# KiCad board solar-module-1u-si.kicad_pcb (continued)
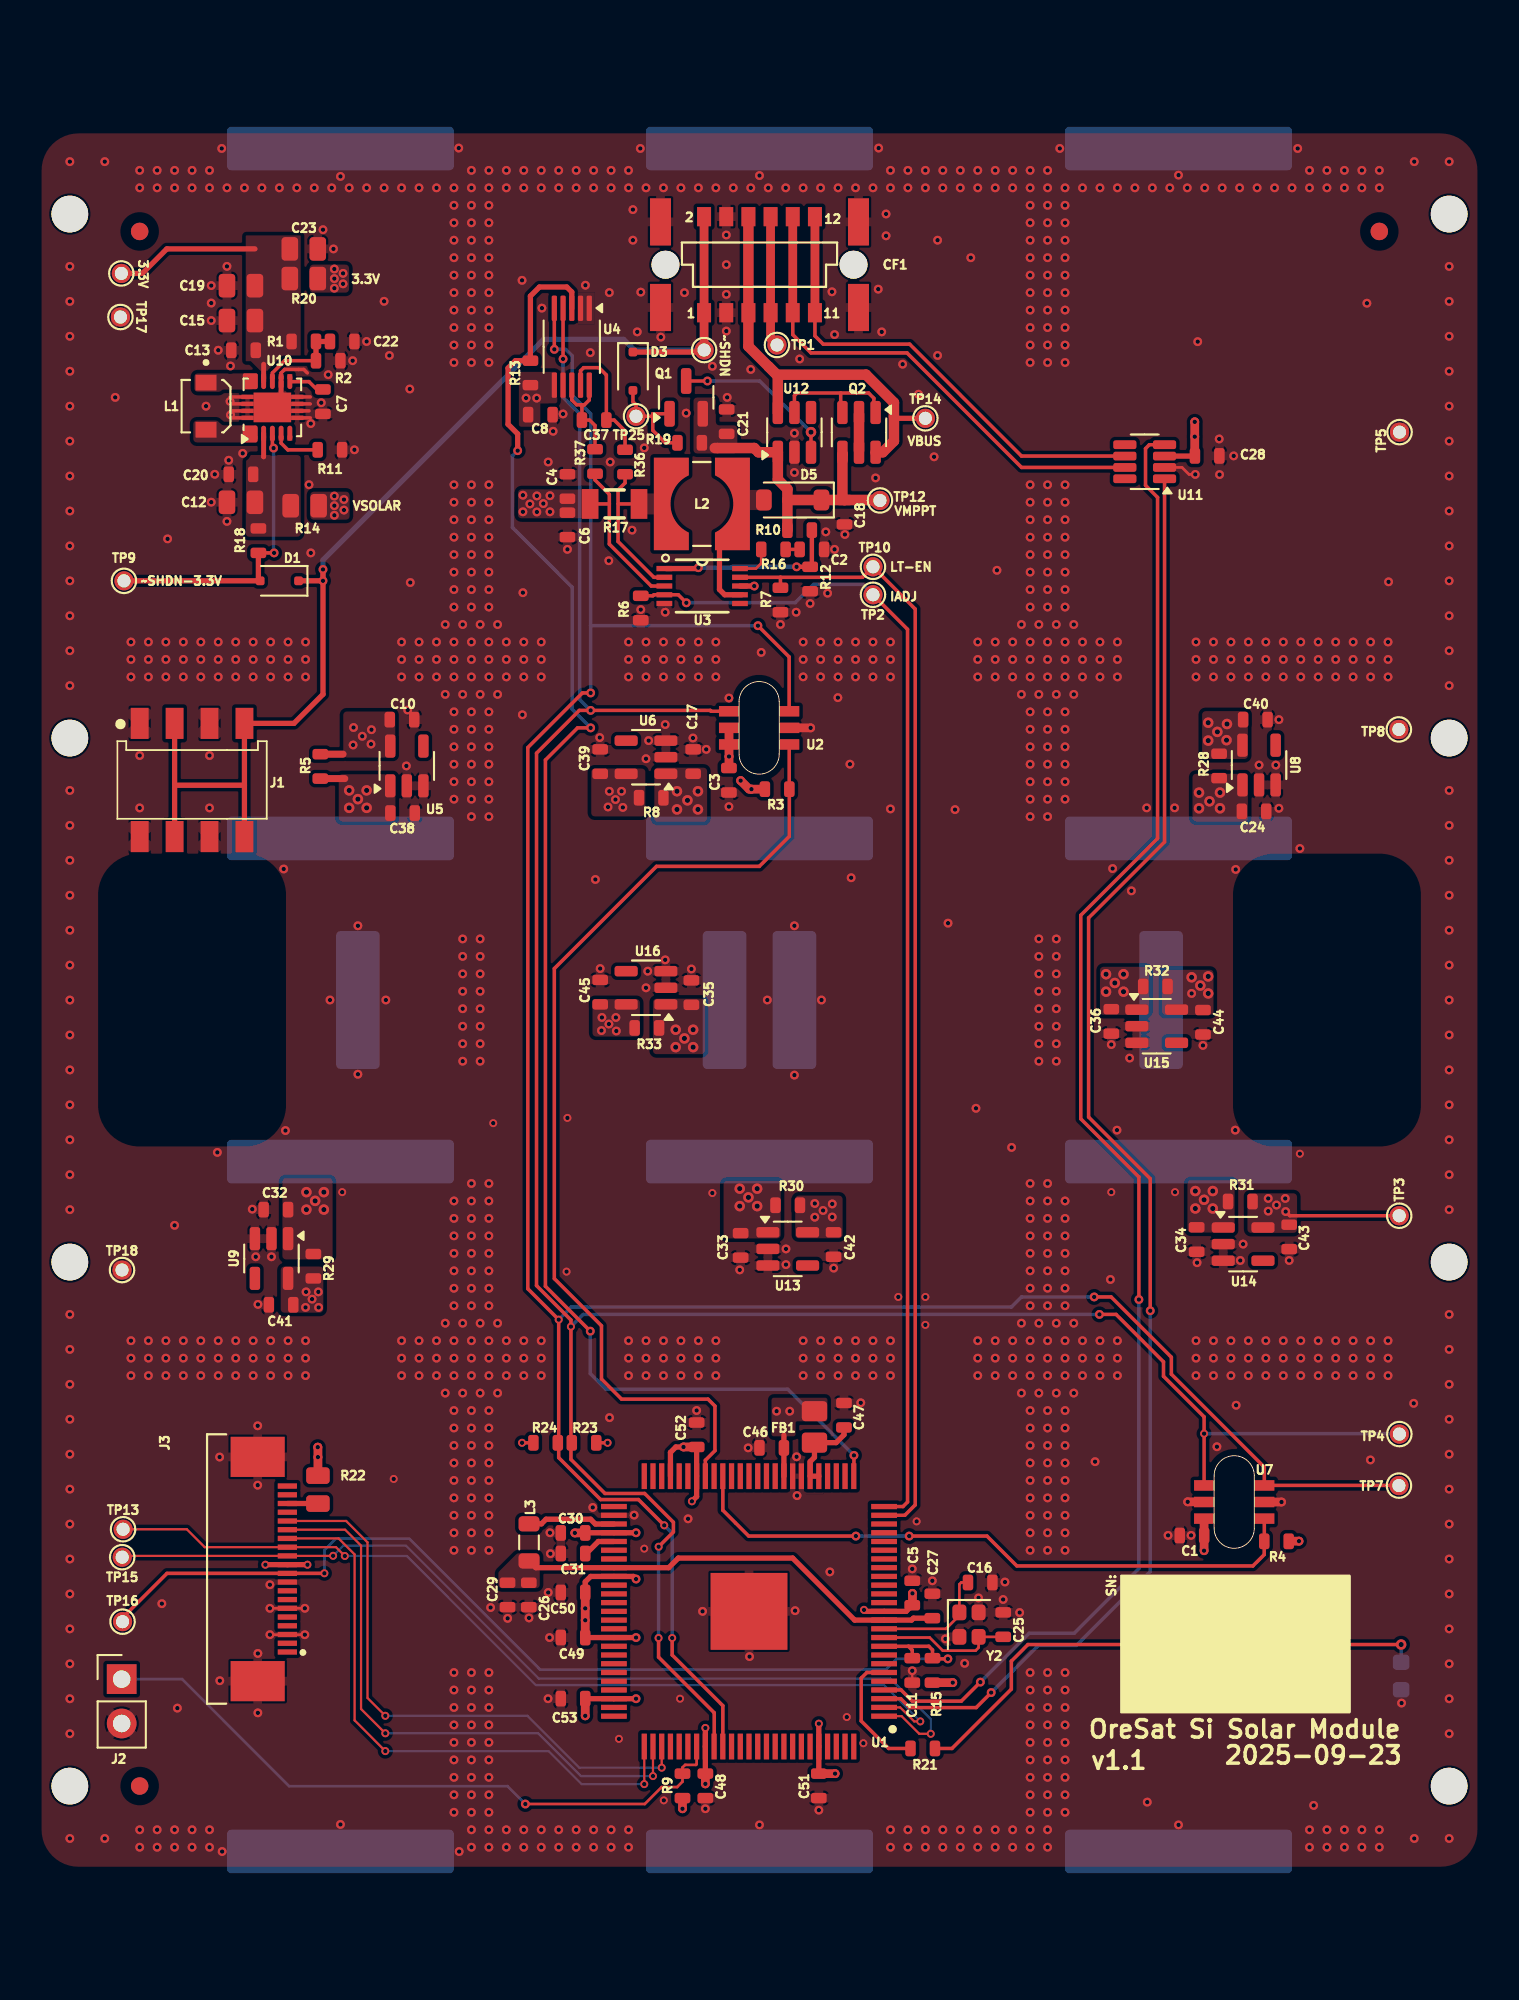
[diagram p0: board, top side]
## Library data of the parts (continued)
TP1-TP18 TP25 = -: Description: 0.75 mm TH test point; good for scope probes and jumpers
U1 = -: Datasheet: https://www.nxp.com/docs/en/data-sheet/MCXNx4xDS.pdf; Description: ARM Microcontrollers - MCU MCXN10, 100HLQFP (also MCXN947VNLT); MFR: NXP; DIS: Mouser; DPN: 771-MCXN947VKLT
U2 U7 = -: Datasheet: https://www.ti.com/lit/ds/symlink/tmp101.pdf; Description: Digital Temperature Sensor with I2C/SMBus Interface, ±2°C, one-shot conversion, alert, SOT-23-6; DIS: DIgiKey; DPN: 296-27725-2-ND; MFR: Texas Instruments; MPN: TMP101NA/3K; ki_fp_filters: SOT?23*
U3 = -: Datasheet: https://www.analog.com/media/en/technical-documentation/data-sheets/1618fas.pdf; Description: Boost Switching Regulator IC Positive Adjustable 1.263V 1 Output 1.5A (Switch) 10-TFSOP, 10-MSOP (0.118", 3.00mm Width); DIS: DIgiKey; DPN: LT1618EMS#TRPBFTR-ND; MFR: Analog Devices Inc.; MPN: IC REG BOOST ADJ 1.5A 10MSOP
U4 = -: Datasheet: http://www.ti.com/lit/ds/symlink/ina226.pdf; Description: Current Monitor Regulator High/Low-Side 10mA 10-VSSOP; DIS: DIgiKey; DPN: 296-29100-2-ND; MFR: Texas Instruments; MPN: INA226AIDGST; ki_fp_filters: VSSOP*3x3mm*P0.5mm*
U5 U6 U8 U9 U13-U16 = -: Datasheet: https://www.analog.com/media/en/technical-documentation/data-sheets/4411fa.pdf; Description: 2.6A Ideal Diode, SOT23-5; DIS: DIgiKey; DPN: 505-LTC4411ES5#TRMPBFTR-ND; MFR: Analog Devices; MPN: LTC4411ES5#TRMPBF
U10 = -: Datasheet: http://www.ti.com/lit/ds/symlink/tps63060.pdf; Description: Buck-Boost Switching Regulator IC Positive Adjustable 2.5V 1 Output 2A (Switch) 10-WFDFN Exposed Pad; DIS: DIgiKey; DPN: 296-30204-2-ND; MFR: Texas Instruments; MPN: IC REG BUCK BOOST ADJ 2A 10WSON; ki_fp_filters: Texas*S*PWSON*N10*
U11 = -: Datasheet: http://www.ti.com/lit/ds/symlink/tcan337.pdf; Description: High-Speed CAN Transceiver, 1Mbps, 3.3V supply, silent mode, shutdown mode, SOT-23-8/SOIC-8; MFR: Texas Instruments; MPN: TCAN330DCNR; DIS: DigiKey; DPN: 296-46215-1-ND; ki_fp_filters: *TSOT?23* *SOIC*3.9x4.9mm*P1.27mm*
U12 = -: Datasheet: https://www.analog.com/media/en/technical-documentation/data-sheets/4412fb.pdf; Description: OR Controller Source Selector Switch P-Channel 2:1 TSOT-23-6; DIS: DIgiKey; DPN: 505-LTC4412ES6#TRPBFTR-ND; MFR: Linear Technologies; MPN: LTC4412ES6#TRPBF; ki_fp_filters: TSOT?23*
Y2 = -: Datasheet: https://www.we-online.com/components/products/datasheet/830108212309.pdf; Description: 24 MHz ±10ppm Crystal 8pF 100 Ohms 4-SMD, No Lead; MFR: Wurth; MPN: 830108212309; DIS: DIgiKey; DPN: 1923-830108212309CT-ND; ki_fp_filters: Crystal*

## Footprints (pads in the part's own frame, mm; a bottom-side part is the same pattern mirrored in y, then rotated)
0603-C-NOSILK
  rrect 0.6x0.9 smd: 1(-0.7,0) 2(0.7,0)
0805-B-NOSILK
  rrect 1.15x1.45 smd: 1(-0.9,0) 2(0.9,0)
0805-C-NOSILK
  rrect 0.95x1.35 smd: 1(-0.8,0) 2(0.8,0)
1206-C
  rect 0.95x1.7 smd: 1(-1.4,0) 2(1.4,0)
744042100
  custom 2x5.3 smd: 1(-1.91,0) 2(1.91,0)
Crystal_SMD_2016-4Pin_2.0x1.6mm
  rrect 0.9x0.8 smd: 1(-0.7,-0.55) 2(0.7,-0.55) 3(0.7,0.55) 4(-0.7,0.55)
D_SOD-123
  rrect 0.9x1.2 smd: 1(-1.65,0) 2(1.65,0)
D_SOD-323F
  rrect 0.5x0.5 smd: 1(-1.1,0) 2(1.1,0)
DBV6-SLOT
  rect 1.15x0.6 smd: 1(1.725,0.95) 2(1.725,0) 3(1.725,-0.95) 4(-1.725,-0.95) 5(-1.725,0) 6(-1.725,0.95)
Fiducial_1mm_Mask2mm
  round 1 smd: (0,0)
IND_1226AS-H-1R0N=P2
  rect 0.9x1.2 smd: 1(-1.35,0) 2(1.35,0)
J-Harwin-M55-60X1242R
  round 1.6 hole 1.6 unplated: (-5.385,0) (5.385,0)
  rect 0.8x1.1 smd: 1(-3.175,-2.75) 2(-3.175,2.75) 3(-1.905,-2.75) 4(-1.905,2.75) 5(-0.635,-2.75) 6(-0.635,2.75) 7(0.635,-2.75) 8(0.635,2.75) 9(1.905,-2.75) 10(1.905,2.75) 11(3.175,-2.75) 12(3.175,2.75)
  rect 1.2x2.7 smd: P$1(-5.67,-2.45) P$2(-5.67,2.45) P$3(5.67,-2.45) P$4(5.67,2.45)
J-TE-2-1734592-0
  rect 0.3x1.1 smd: 1(-4.75,-1.7) 2(-4.25,-1.7) 3(-3.75,-1.7) 4(-3.25,-1.7) 5(-2.75,-1.7) 6(-2.25,-1.7) 7(-1.75,-1.7) 8(-1.25,-1.7) 9(-0.75,-1.7) 10(-0.25,-1.7) 11(0.25,-1.7) 12(0.75,-1.7) 13(1.25,-1.7) 14(1.75,-1.7) 15(2.25,-1.7) 16(2.75,-1.7) 17(3.25,-1.7) 18(3.75,-1.7) 19(4.25,-1.7) 20(4.75,-1.7)
  rect 2.3x3.1 smd: PAD1(6.42,0) PAD2(-6.42,0)
KXOB101K08TF
  rrect 2.5x13 smd: NEG2(19.75,0) POS1(-19.75,0)
KXOB2502X8TF
  rrect 2.5x7.9 smd: NEG2(10.5,0) POS1(-10.5,0)
L_0805_2012Metric
  rrect 0.875x1.2 smd: 1(-1.062,0) 2(1.062,0)
LED_0603_1608Metric
  rrect 0.875x0.95 smd: 1(-0.787,0) 2(0.787,0)
MCXN947KVLT-QFP50P1600X1600X160-101N
  rect 1.475x0.3 smd: 1(-7.738,6) 2(-7.738,5.5) 3(-7.738,5) 4(-7.738,4.5) 5(-7.738,4) 6(-7.738,3.5) 7(-7.738,3) 8(-7.738,2.5) 9(-7.738,2) 10(-7.738,1.5) 11(-7.738,1) 12(-7.738,0.5) 13(-7.738,0) 14(-7.738,-0.5) 15(-7.738,-1) 16(-7.738,-1.5) 17(-7.738,-2) 18(-7.738,-2.5) 19(-7.738,-3) 20(-7.738,-3.5) 21(-7.738,-4) 22(-7.738,-4.5) 23(-7.738,-5) 24(-7.738,-5.5) 25(-7.738,-6) 51(7.738,-6) 52(7.738,-5.5) 53(7.738,-5) 54(7.738,-4.5) 55(7.738,-4) 56(7.738,-3.5) 57(7.738,-3) 58(7.738,-2.5) 59(7.738,-2) 60(7.738,-1.5) 61(7.738,-1) 62(7.738,-0.5) 63(7.738,0) 64(7.738,0.5) 65(7.738,1) 66(7.738,1.5) 67(7.738,2) 68(7.738,2.5) 69(7.738,3) 70(7.738,3.5) 71(7.738,4) 72(7.738,4.5) 73(7.738,5) 74(7.738,5.5) 75(7.738,6)
  rect 0.3x1.475 smd: 26(-6,-7.738) 27(-5.5,-7.738) 28(-5,-7.738) 29(-4.5,-7.738) 30(-4,-7.738) 31(-3.5,-7.738) 32(-3,-7.738) 33(-2.5,-7.738) 34(-2,-7.738) 35(-1.5,-7.738) 36(-1,-7.738) 37(-0.5,-7.738) 38(0,-7.738) 39(0.5,-7.738) 40(1,-7.738) 41(1.5,-7.738) 42(2,-7.738) 43(2.5,-7.738) 44(3,-7.738) 45(3.5,-7.738) 46(4,-7.738) 47(4.5,-7.738) 48(5,-7.738) 49(5.5,-7.738) 50(6,-7.738) 76(6,7.738) 77(5.5,7.738) 78(5,7.738) 79(4.5,7.738) 80(4,7.738) 81(3.5,7.738) 82(3,7.738) 83(2.5,7.738) 84(2,7.738) 85(1.5,7.738) 86(1,7.738) 87(0.5,7.738) 88(0,7.738) 89(-0.5,7.738) 90(-1,7.738) 91(-1.5,7.738) 92(-2,7.738) 93(-2.5,7.738) 94(-3,7.738) 95(-3.5,7.738) 96(-4,7.738) 97(-4.5,7.738) 98(-5,7.738) 99(-5.5,7.738) 100(-6,7.738)
  rect 4.4x4.4 smd: 101(0,0)
MSOP-10_MS
  rect 0.9x0.3 smd: 1(-2.165,1) 2(-2.165,0.5) 3(-2.165,0) 4(-2.165,-0.5) 5(-2.165,-1) 6(2.165,-1) 7(2.165,-0.5) 8(2.165,0) 9(2.165,0.5) 10(2.165,1)
ORESAT-SOLAR-BOARD-V4
  round 2.1 hole 2.1 unplated: (2,95) (2,65) (2,35) (2,5) (81,95) (81,65) (81,35) (81,5)
PinHeader_1x02_P2.54mm_Vertical
  rect 1.7x1.7 hole 1: 1(0,0)
  round 1.7 hole 1: 2(0,-2.54)
SAMTEC-MMS-104-02-X-SH
  rect 1.02x1.78 smd: 1A(-3,3.24) 1B(-3,-3.24) 2A(-1,3.24) 2B(-1,-3.24) 3A(1,3.24) 3B(1,-3.24) 4A(3,3.24) 4B(3,-3.24)
SOT-23
  rrect 1.475x0.6 smd: 1(-0.938,0.95) 2(-0.938,-0.95) 3(0.938,0)
SOT-23-6
  rrect 1.325x0.6 smd: 1(-1.137,0.95) 2(-1.137,0) 3(-1.137,-0.95) 4(1.137,-0.95) 5(1.137,0) 6(1.137,0.95)
SOT-23-8
  rrect 1.325x0.5 smd: 1(-1.137,0.975) 2(-1.137,0.325) 3(-1.137,-0.325) 4(-1.137,-0.975) 5(1.137,-0.975) 6(1.137,-0.325) 7(1.137,0.325) 8(1.137,0.975)
TestPoint-0.75mm-th
  round 1.1 hole 0.75: 1(0,0)
Texas_S-PWSON-N10
  rect 0.28x0.28 smd: 1(-1.76,1) 2(-1.76,0.5) 3(-1.76,0) 4(-1.76,-0.5) 5(-1.76,-1) 6(1.76,-1) 7(1.76,-0.5) 8(1.76,0) 9(1.76,0.5) 10(1.76,1)
  oval 0.85x0.28 smd: 1(-1.475,1) 2(-1.475,0.5) 3(-1.475,0) 4(-1.475,-0.5) 5(-1.475,-1) 6(1.475,-1) 7(1.475,-0.5) 8(1.475,0) 9(1.475,0.5) 10(1.475,1)
  rect 0.23x0.6 smd: 11(-0.6,1.425) 11(-0.6,-1.425) 11(-0.2,1.425) 11(-0.2,-1.425) 11(0.2,1.425) 11(0.2,-1.425) 11(0.6,1.425) 11(0.6,-1.425)
  rect 0.25x0.7 smd: 11(-0.6,1.425) 11(-0.6,-1.425) 11(-0.2,1.425) 11(-0.2,-1.425) 11(0.2,1.425) 11(0.2,-1.425) 11(0.6,1.425) 11(0.6,-1.425)
  rect 0.65x0.9 smd: 11(-0.435,0.56) 11(-0.435,-0.56) 11(0.435,0.56) 11(0.435,-0.56)
  rect 1.7x2.15 smd: 11(0,0)
TSOT-23-5
  rrect 1.325x0.6 smd: 1(-1.137,0.95) 2(-1.137,0) 3(-1.137,-0.95) 4(1.137,-0.95) 5(1.137,0.95)
TSOT-23-6
  rrect 1.325x0.6 smd: 1(-1.137,0.95) 2(-1.137,0) 3(-1.137,-0.95) 4(1.137,-0.95) 5(1.137,0) 6(1.137,0.95)
VSSOP-10_3x3mm_P0.5mm
  rrect 1.45x0.3 smd: 1(-2.2,1) 2(-2.2,0.5) 3(-2.2,0) 4(-2.2,-0.5) 5(-2.2,-1) 6(2.2,-1) 7(2.2,-0.5) 8(2.2,0) 9(2.2,0.5) 10(2.2,1)

## Nets
+3.3V: C1.1 C3.1 C5.1 C8.1 C28.1 C30.1 C46.1 C48.1 C49.1 C50.1 C51.1 C52.1 C53.1 FB1.1 J3.11 R3.2 R4.2 R9.2 R13.2 R15.2 R20.1 R22.2 R23.2 R24.2 U1.13 U1.34 U1.44 U1.47 U1.54 U1.59 U1.66 U1.73 U1.83 U1.96 U2.4 U2.5 U4.6 U7.4 U11.3
/Microcontroller/VDD_ANA: C47.1 FB1.2 U1.30 U1.31
/Microcontroller/VDD_SYS: C31.1 U1.55
GND: C1.2 C2.2 C3.2 C4.2 C5.2 C6.2 C7.2 C8.2 C10.2 C11.2 C12.2 C13.2 C15.2 C16.2 C17.2 C18.2 C19.2 C20.2 C21.2 C22.2 C23.2 C24.2 C25.2 C26.2 C27.2 C28.2 C29.2 C30.2 C31.2 C32.2 C33.2 C34.2 C35.2 C36.2 C38.2 C39.2 C40.2 C41.2 C42.2 C43.2 C44.2 C45.2 C46.2 C47.2 C48.2 C49.2 C50.2 C51.2 C52.2 C53.2 CF1.3 CF1.4 CF1.P$1 CF1.P$2 CF1.P$3 CF1.P$4 D2.NEG2 D4.1 D7.NEG2 D8.NEG2 D9.NEG2 D10.NEG2 D11.NEG2 D12.NEG2 D13.NEG2 J1.1A J1.1B J1.3A J1.3B J2.2 J3.3 J3.6 J3.9 J3.PAD1 J3.PAD2 R2.1 R6.2 R7.2 R11.1 R12.1 TP5.1 TP8.1 TP17.1 TP18.1 U1.32 U1.33 U1.52 U1.101 U2.2 U3.5 U4.1 U4.2 U4.7 U5.2 U5.3 U6.2 U6.3 U7.2 U7.5 U8.2 U8.3 U9.2 U9.3 U10.7 U10.11 U11.2 U12.2 U13.2 U13.3 U14.2 U14.3 U15.2 U15.3 U16.2 U16.3 Y2.2 Y2.4
VBUS: CF1.5 CF1.6 Q2.6 TP14.1 U12.6
VDD_CORE: C26.1 C27.1 C29.1 L3.1 U1.12 U1.58
/Microcontroller/CELL1_TEMP_ALERT: R3.1 U1.43 U2.3
/Microcontroller/CELL2_TEMP_ALERT: R4.1 U1.41 U7.3
/Microcontroller/RESET: C11.1 J3.10 R15.1 TP16.1 U1.9
/Microcontroller/SWCLK: J3.15 U1.77
/Microcontroller/SWDIO: J3.14 U1.76
/Microcontroller/SWO: J3.16 U1.78
/MPPT and Power/TPS-VOUT-3.3V: C13.1 C15.1 C19.1 C23.1 R1.2 R20.2 TP6.1 U10.9
/MPPT and Power/VMPPT: C18.1 C21.1 D5.1 Q1.2 Q2.4 R10.2 R19.2 TP12.1 U12.1
/MPPT and Power/~{SHDN-3.3V}: D1.2 R18.1 TP9.1 U10.3
/MPPT and Power/~{SHDN-OUPUT}: D3.2 Q1.1 R19.1 TP25.1
/MPPT and Power/~{SHUTDOWN}: CF1.1 CF1.2 D1.1 D3.1 J1.2A J1.2B J1.4A J1.4B TP11.1
CANH: CF1.9 CF1.10 U11.7
CANL: CF1.11 CF1.12 U11.6
INA226-nALERT: R13.1 U1.26 U4.3
ISP-UART_RXD: J3.12 TP15.1 U1.1
ISP-UART_TXD: J3.13 TP13.1 U1.2
LT1618-ENABLE: R7.1 TP10.1 U1.24 U3.9
LT1618-IADJ: R6.1 TP2.1 U1.25 U3.4
SCL: R24.1 TP7.1 U1.85 U2.1 U4.5 U7.1
SDA: R23.1 TP4.1 U1.84 U2.6 U4.4 U7.6
VSOLAR: C4.1 C6.1 C10.1 C39.1 C40.1 C41.1 C42.1 C43.1 C44.1 C45.1 R5.2 R8.2 R14.2 R17.1 R28.2 R29.2 R30.2 R31.2 R32.2 R33.2 R37.2 TP3.1 U3.3 U3.8 U5.5 U6.5 U8.5 U9.5 U13.5 U14.5 U15.5 U16.5
Net-(C2-Pad1): C2.1 R16.1
Net-(CF1-AUX-Pad7): CF1.7 CF1.8 TP1.1
Net-(D2-A1): C38.1 D2.POS1 R5.1 U5.1
Net-(D4-A): D4.2 R21.2
Net-(D5-A): D5.2 L2.2 U3.7
Net-(D7-A1): C17.1 D7.POS1 R8.1 U6.1
Net-(D8-A1): C24.1 D8.POS1 R28.1 U8.1
Net-(D9-A1): C32.1 D9.POS1 R29.1 U9.1
Net-(D10-A1): C33.1 D10.POS1 R30.1 U13.1
Net-(D11-A1): C34.1 D11.POS1 R31.1 U14.1
Net-(D12-A1): C36.1 D12.POS1 R32.1 U15.1
Net-(D13-A1): C35.1 D13.POS1 R33.1 U16.1
Net-(J2-Pin_1): J2.1 R9.1 U1.82
Net-(J3-DEBUG-1): J3.18 R22.1
Net-(Q1-D): Q1.3 U12.3
Net-(Q2A-G): Q2.1 Q2.3 U12.5
Net-(Q2A-S): Q2.2 Q2.5
Net-(U1A-DCDC_LX): L3.2 U1.53
Net-(U1C-P1_13): R21.1 U1.6
Net-(U1C-P1_30): C25.1 U1.10 Y2.3
Net-(U1C-P1_31): C16.1 U1.11 Y2.1
Net-(U3-FB): R10.1 R12.2 U3.1
Net-(U3-ISN): L2.1 R17.2 R36.1 U3.2
Net-(U3-VC): R16.2 U3.10
Net-(U4-Vbus): C37.1 R37.1 U4.8 U4.10
Net-(U4-Vin-): C37.2 R36.2 U4.9
Net-(U10-FB): C22.1 R1.1 R2.2 U10.8
Net-(U10-L1): L1.2 U10.1
Net-(U10-L2): L1.1 U10.10
Net-(U10-PS/SYNC): R11.2 U10.4
Net-(U10-VAUX): C7.1 U10.6
Net-(U10-VIN): C12.1 C20.1 R14.1 R18.2 U10.2
Net-(U11-RXD): U1.4 U11.4
Net-(U11-TXD): U1.3 U11.1

Pads without a net: J3 1 2 4 5 7 8 17 19 20; U1 5 7 8 14 15 16 17 18 19 20 21 22 23 27 28 29 35 36 37 38 39 40 42 45 46 48 49 50 51 56 57 60 61 62 63 64 65 67 68 69 70 71 72 74 75 79 80 81 86 87 88 89 90 91 92 93 94 95 97 98 99 100; U3 6; U5 4; U6 4; U8 4; U9 4; U10 5; U11 5 8; U12 4; U13 4; U14 4; U15 4; U16 4

## Via types
v1: diameter 0.508, hole 0.254, Top to Bottom, 1269 vias
v2: diameter 0.6, hole 0.3, Top to Bottom, 51 vias
v3: diameter 0.457, hole 0.254, Top to Bottom, 45 vias

## Routing (per net, layer and track width the routed paths; a pad name or vN(x,y) marks a point on that pad's centre or on a via; arc(x,y) is an arc through that point)
+3.3V: length 63.2
  Top w0.2: R23.2 v3(32.8,24.65) ; R24.2 v3(27.9,24.65)
  Top w0.3: v1(37.15,24.41) 36.71,24.41 36.4,24.1 U1.47 ; C30.1 31.53,19.5 U1.54 v1(34.43,19.5) ; v3(37.63,21.3) 37.9,21.57 U1.44 C52.1 ; C28.1 66.43,81.14 U11.3 ; v3(47.48,15.09) 47.57,15 U1.13 49.9,15 C5.1 50.26,15.36 ; 66.96,18.48 v1(66.96,18.48) ; U1.34 C46.1 42.9,25.09 ; v1(34.43,16.85) 34.28,17 U1.59 31.83,17 31.52,16.69 C50.1 ; 66.96,19.33 66.96,19.33 ; C49.1 U1.66 v1(34.43,13.5) ; v3(13.2,17.67) 13.2,17.68 J3.11 15.6,17.68 v3(15.61,17.67) ; C53.1 U1.73 v1(34.43,10) ; v3(38.4,8.33) U1.83 C48.1 ; C51.1 U1.96 v3(44.9,8.57)
  Top w0.5: v1(50.26,16.03) 50.26,15.36 ; U2.4 v1(39.75,63.94) 39.75,63.29 C3.1 ; U2.4 U2.5 ; U2.4 39.75,64.63 ; v1(37.09,3.7) R9.2 ; v1(72.4,19.02) 71.82,19.02 R4.2 ; v1(37.15,24.41) C52.1 ; v1(52.57,10.92) R15.2 ; R22.2 v1(16.21,23.83) 16.21,24.39 v1(16.2,24.4) ; v1(38.4,5.13) C48.1 ; v1(30.92,19.49) C30.1 ; C50.1 C49.1 ; v1(66.43,83.1) 66.43,81.16 C28.1 ; 66.96,18.48 U7.4 ; v1(40.42,62.56) 40.91,62.07 v1(41.04,62.07) R3.2 ; v1(45.83,5.71) C51.1 ; v1(31.52,9.02) C53.1
  In2.Cu w0.5: v1(39.75,63.94) 39.75,62.96 39.75,62.95 40.14,62.56 v1(40.42,62.56) 40.91,62.07 v1(41.04,62.07) 42.57,62.07 43.65,63.15 43.65,67.45 43.5,67.6
  vias: v1(17.15,91.85) v1(17.15,91.3) v1(17.15,90.75) v1(17.65,91.6) v1(17.65,91) v1(28.13,84.46) v1(28.74,84.46) v1(31.52,15.17) v1(31.52,14.49) v1(42.48,26.46) v1(43.23,26.46) v1(66.43,82.25)
/Microcontroller/VDD_ANA: length 4.8
  Top w0.3: U1.30 U1.31 44.4,23.57 44.65,23.82 FB1.2 45.89,24.66 46.34,25.11 C47.1
/Microcontroller/VDD_SYS: length 1.9
  Top w0.3: U1.55 32.27,19 31.58,18.31 C31.1
GND: length 20.1
  Top w0.127: C11.2 v1(50.25,11.6)
  Top w0.152: U11.2 65.7,80.49 66.1,80.09 v1(66.46,80.09) ; v1(15.46,15.18) J3.6 v1(13.46,15.18) ; v1(13.46,13.67) 14.45,13.67 J3.3 14.47,13.67 v1(15.46,13.67)
  Top w0.2: 15,83.73 15.7,83.73 ; 12.2,84.53 11.17,84.53 ; 11.22,84.13 12.2,84.13 ; 12.2,83.33 11.23,83.33 ; 15,84.13 15.77,84.13 ; 15,83.33 15.77,83.33 ; 15,84.53 15.77,84.53 ; 15.6,85.9 15.4,86.1 14.3,86.1 14.1,85.9 U10.7 ; 12.2,83.73 11.2,83.73
  Top w0.28: U10.7 14.1,83.9
  Top w0.5: U7.5 66.95,21.27 v1(66.02,21.27) ; 43.23,65.58 v1(44.43,65.58) ; v1(71.4,21.26) U7.2
  vias: v1(2,98) v1(2,92) v1(2,90) v1(2,88) v1(2,86) v1(2,84) v1(2,82) v1(2,80) v1(2,78) v1(2,76) v1(2,74) v1(2,72) v1(2,70) v1(2,68) v1(2,62) v1(2,60) v1(2,58) v1(2,56) v1(2,54) v1(2,52) v1(2,50) v1(2,48) v1(2,46) v1(2,44) v1(2,42) v1(2,40) v1(2,38) v1(2,32) v1(2,30) v1(2,28) v1(2,26) v1(2,24) v1(2,22) v1(2,20) v1(2,18) v1(2,16) v1(2,14) v1(2,12) v1(2,10) v1(2,8) v1(2,2) v1(4,98) v1(4,2) v1(4.6,84.5) v1(5.5,70.5) v1(5.5,69.5) v1(5.5,68.5) v1(5.5,30.5) v1(5.5,29.5) v1(5.5,28.5) v1(6,97.5) v1(6,96.5) v1(6,64) v1(6,61) v1(6,2.5) v1(6,1.5) v1(6.5,70.5) v1(6.5,69.5) v1(6.5,68.5) v1(6.5,30.5) v1(6.5,29.5) v1(6.5,28.5) v1(7,97.5) v1(7,96.5) v1(7,2.5) v1(7,1.5) v1(7.27,15.44) v1(7.5,70.5) v1(7.5,69.5) v1(7.5,68.5) v1(7.5,30.5) v1(7.5,29.5) v1(7.5,28.5) v1(7.6,76.4) v1(8,97.5) v1(8,96.5) v1(8,37.1) v1(8,2.5) v1(8,1.5) v1(8.16,9.46) v1(8.5,70.5) v1(8.5,69.5) v1(8.5,68.5) v1(8.5,30.5) v1(8.5,29.5) v1(8.5,28.5) v1(9,97.5) v1(9,96.5) v1(9,2.5) v1(9,1.5) v1(9.5,70.5) v1(9.5,69.5) v1(9.5,68.5) v1(9.5,30.5) v1(9.5,29.5) v1(9.5,28.5) v1(9.8,84) v1(10,97.5) v1(10,96.5) v1(10,64) v1(10,61) v1(10,2.5) v1(10,1.5) v1(10.1,90.9) v1(10.1,89.9) v1(10.1,88.9) v1(10.1,78.5) v1(10.3,80.1) v1(10.5,87.2) v1(10.5,70.5) v1(10.5,69.5) v1(10.5,68.5) v1(10.45,41.28) v1(10.5,30.5) v1(10.5,29.5) v1(10.5,28.5) v1(10.58,23.84) v1(10.59,11.03) v1(10.7,98.75) v1(10.72,1.25) v1(11,96.5) v1(11,92) v1(11,77.4) v1(11.1,80.9) v1(11.2,86.3) v1(11.18,84.28) v1(11.2,83.5) v1(11.5,70.5) v1(11.5,69.5) v1(11.5,68.5) v1(11.5,30.5) v1(11.5,29.5) v1(11.5,28.5) v1(11.9,81.3) v1(12,96.5) v1(12.5,70.5) v1(12.5,69.5) v1(12.5,68.5) v1(12.45,38.03) v1(12.5,30.5) v1(12.5,29.5) v1(12.5,28.5) v1(12.65,35.3) v1(12.77,32.58) v1(12.76,25.63) v1(12.76,22.23) v1(12.77,12.59) v1(12.77,9.19) v1(13,96.5) v1(13.5,70.5) v1(13.5,69.5) v1(13.5,68.5) v1(13.55,35.3) v1(13.5,30.5) v1(13.5,29.5) v1(13.5,28.5) v1(13.46,16.53) v1(14,96.5) v1(14.25,57.5) v1(14.35,42.53) v1(14.5,70.5) v1(14.5,69.5) v1(14.5,68.5) v1(14.5,30.5) v1(14.5,29.5) v1(14.5,28.5) v1(15,96.5) v1(15.5,70.5) v1(15.5,69.5) v1(15.5,68.5) v1(15.5,30.5) v1(15.5,29.5) v1(15.5,28.5) v1(15.7,79.5) v1(15.8,83) v1(15.8,75.6) v1(16,96.5) v1(16.4,84.2) v1(16.5,94.1) v1(16.8,85.8) v1(16.9,50) v1(17,96.5) v1(17.1,93) v1(17.5,97.15) v1(17.5,2.8) v1(18,96.5) v1(18.2,86.6) v1(18.3,81.5) v1(18.5,54.25) v1(18.5,45.75) v1(19,96.5) v1(19,87.7) v1(20,96.5) v1(20,90) v1(20.1,50) v1(20.3,86.9) v1(21,96.5) v1(21,70.5) v1(21,69.5) v1(21,68.5) v1(21,30.5) v1(21,29.5) v1(21,28.5) v1(21.35,66.6) v1(21.27,63.4) v1(21.47,84.98) v1(21.5,73.9) v1(22,96.5) v1(22,70.5) v1(22,69.5) v1(22,68.5) v1(22,30.5) v1(22,29.5) v1(22,28.5) v1(23,96.5) v1(23,70.5) v1(23,69.5) v1(23,68.5) v1(23,30.5) v1(23,29.5) v1(23,28.5) v1(23.5,71.5) v1(23.5,67.5) v1(23.5,31.5) v1(23.5,27.5) v1(24,96.5) v1(24,95.5) v1(24,94.5) v1(24,93.5) v1(24,92.5) v1(24,91.5) v1(24,90.5) v1(24,89.5) v1(24,88.5) v1(24,87.5) v1(24,86.5) v1(24,79.5) v1(24,78.5) v1(24,77.5) v1(24,76.5) v1(24,75.5) v1(24,74.5) v1(24,73.5) v1(24,72.5) v1(24,70.5) v1(24,69.5) v1(24,68.5) v1(24,66.5) v1(24,65.5) v1(24,64.5) v1(24,63.5) v1(24,62.5) v1(24,61.5) v1(24,38.5) v1(24,37.5) v1(24,36.5) v1(24,35.5) v1(24,34.5) v1(24,33.5) v1(24,32.5) v1(24,30.5) v1(24,29.5) v1(24,28.5) v1(24,26.5) v1(24,25.5) v1(24,24.5) v1(24,23.5) v1(24,22.5) v1(24,21.5) v1(24,20.5) v1(24,19.5) v1(24,18.5) v1(24,11.5) v1(24,10.5) v1(24,9.5) v1(24,8.5) v1(24,7.5) v1(24,6.5) v1(24,5.5) v1(24,4.5) v1(24,3.5) v1(24.27,98.78) v1(24.3,1.25) v1(24.5,71.5) v1(24.5,67.5) v1(24.5,53.5) v1(24.5,52.5) v1(24.5,51.5) v1(24.5,50.5) v1(24.5,49.5) v1(24.5,48.5) v1(24.5,47.5) v1(24.5,46.5) v1(24.5,31.5) v1(24.5,27.5) v1(25,97.5) v1(25,96.5) v1(25,95.5) v1(25,94.5) v1(25,93.5) v1(25,92.5) v1(25,91.5) v1(25,90.5) v1(25,89.5) v1(25,88.5) v1(25,87.5) v1(25,86.5) v1(25,79.5) v1(25,78.5) v1(25,77.5) v1(25,76.5) v1(25,75.5) v1(25,74.5) v1(25,73.5) v1(25,72.5) v1(25,70.5) v1(25,69.5) v1(25,68.5) v1(25,66.5) v1(25,65.5) v1(25,64.5) v1(25,63.5) v1(25,62.5) v1(25,61.5) v1(25,60.5) v1(25,39.5) v1(25,38.5) v1(25,37.5) v1(25,36.5) v1(25,35.5) v1(25,34.5) v1(25,33.5) v1(25,32.5) v1(25,30.5) v1(25,29.5) v1(25,28.5) v1(25,26.5) v1(25,25.5) v1(25,24.5) v1(25,23.5) v1(25,22.5) v1(25,21.5) v1(25,20.5) v1(25,19.5) v1(25,18.5) v1(25,11.5) v1(25,10.5) v1(25,9.5) v1(25,8.5) v1(25,7.5) v1(25,6.5) v1(25,5.5) v1(25,4.5) v1(25,3.5) v1(25,2.5) v1(25,1.5) v1(25.5,71.5) v1(25.5,67.5) v1(25.5,53.5) v1(25.5,52.5) v1(25.5,51.5) v1(25.5,50.5) v1(25.5,49.5) v1(25.5,48.5) v1(25.5,47.5) v1(25.5,46.5) v1(25.5,31.5) v1(25.5,27.5) v1(26,97.5) v1(26,96.5) v1(26,95.5) v1(26,94.5) v1(26,93.5) v1(26,92.5) v1(26,91.5) v1(26,90.5) v1(26,89.5) v1(26,88.5) v1(26,87.5) v1(26,86.5) v1(26,79.5) v1(26,78.5) v1(26,77.5) v1(26,76.5) v1(26,75.5) v1(26,74.5) v1(26,73.5) v1(26,72.5) v1(26,70.5) v1(26,69.5) v1(26,68.5) v1(26,66.5) v1(26,65.5) v1(26,64.5) v1(26,63.5) v1(26,62.5) v1(26,61.5) v1(26,60.5) v1(26,39.5) v1(26,38.5) v1(26,37.5) v1(26,36.5) v1(26,35.5) v1(26,34.5) v1(26,33.5) v1(26,32.5) v1(26,30.5) v1(26,29.5) v1(26,28.5) v1(26,26.5) v1(26,25.5) v1(26,24.5) v1(26,23.5) v1(26,22.5) v1(26,21.5) v1(26,20.5) v1(26,19.5) v1(26,18.5) v1(26,11.5) v1(26,10.5) v1(26,9.5) v1(26,8.5) v1(26,7.5) v1(26,6.5) v1(26,5.5) v1(26,4.5) v1(26,3.5) v1(26,2.5) v1(26,1.5) v1(26.1,15.22) v1(26.5,71.5) v1(26.5,67.5) v1(26.5,31.5) v1(26.5,27.5) v1(27,97.5) v1(27,96.5) v1(27,70.5) v1(27,69.5) v1(27,68.5) v1(27,30.5) v1(27,29.5) v1(27,28.5) v1(27,2.5) v1(27,1.5) v1(27.07,14.6) v1(27.9,91.2) v1(27.95,73.32) v1(27.92,66.33) v1(28,97.5) v1(28,96.5) v1(28,70.5) v1(28,69.5) v1(28,68.5) v1(28,30.5) v1(28,29.5) v1(28,28.5) v1(28,2.5) v1(28,1.5) v1(28.3,14.63) v1(29,97.5) v1(29,96.5) v1(29.04,89.61) v1(29,70.5) v1(29,69.5) v1(29,68.5) v1(29,30.5) v1(29,29.5) v1(29,28.5) v1(29,2.5) v1(29,1.5) v1(29.4,80.8) v1(29.4,16.08) v1(29.39,10) v1(29.5,19.5) v1(29.52,18.3) v1(29.47,13.5) v1(29.68,82.56) v1(30,97.5) v1(30,96.5) v1(30,2.5) v1(30,1.5) v1(30.25,83.55) v1(30.5,75.8) v1(31,97.5) v1(31,96.5) v1(31,2.5) v1(31,1.5) v1(31.53,90.92) v1(31.81,87.06) v1(31.95,20.95) v1(32,97.5) v1(32,96.5) v1(32,2.5) v1(32,1.5) v1(32.1,56.9) v1(32.35,65.03) v1(32.37,51.8) v1(32.9,90.5) v1(32.95,80.8) v1(32.87,75.15) v1(32.91,26.09) v1(33,97.5) v1(33,96.5) v1(33,2.5) v1(33,1.5) v1(34,97.5) v1(34,96.5) v1(34,70.5) v1(34,69.5) v1(34,68.5) v1(34,30.5) v1(34,29.5) v1(34,28.5) v1(34,2.5) v1(34,1.5) v1(34.25,95.25) v1(34.25,93.5) v1(34.2,76.9) v1(34.32,20.51) v1(34.5,88.25) v1(34.67,98.75) v1(34.7,90.53) v1(34.7,72.35) v1(34.9,81.61) v1(35,96.5) v1(35,70.5) v1(35,69.5) v1(35,68.5) v1(35,63.82) v1(35,50.7) v1(35,30.5) v1(35,29.5) v1(35,28.5) v1(35.1,51.65) v1(35.15,64.85) v1(35.85,87.95) v1(36,96.5) v1(36,70.5) v1(36,69.5) v1(36,68.5) v1(36,30.5) v1(36,29.5) v1(36,28.5) v1(36.1,72.2) v1(36.1,65.77) v1(36.1,52.3) v1(37,96.5) v1(37,70.5) v1(37,69.5) v1(37,68.5) v1(37,30.5) v1(37,29.5) v1(37,28.5) v1(37.2,90.5) v1(37.3,83.6) v1(37.41,20.3) v1(37.6,51.78) v1(37.69,65) v1(37.9,26.5) v1(38,96.5) v1(38,70.5) v1(38,69.5) v1(38,68.5) v1(38,30.5) v1(38,29.5) v1(38,28.5) v1(38.24,15) v1(38.45,64.35) v1(38.4,3.7) v1(38.8,86.28) v1(39,96.5) v1(39,70.5) v1(39,69.5) v1(39,68.5) v1(39,30.5) v1(39,29.5) v1(39,28.5) v1(39.6,93.8) v1(39.6,92.1) v1(39.6,90.4) v1(39.6,88.3) v1(39.65,84.5) v1(39.75,67.29) v1(39.75,61.07) v1(40,96.5) v1(40.37,34.55) v1(40.85,24.36) v1(40.93,12.41) v1(41,96.5) v1(41,86.1) v1(41.5,97.2) v1(41.5,2.78) v1(41.6,69.9) v1(41.95,50) v1(42,96.5) v1(42.7,71.5) v1(43,96.5) v1(43.02,35.75) v1(43.02,34.85) v1(43.5,82.45) v1(43.5,80.2) v1(43.5,54.25) v1(43.5,45.7) v1(43.54,15.04) v1(43.6,72.2) v1(43.62,23.85) v1(43.65,21.63) v1(43.8,86.7) v1(44,96.5) v1(44,70.5) v1(44,69.5) v1(44,68.5) v1(44,30.5) v1(44,29.5) v1(44,28.5) v1(44.4,72.7) v1(44.9,3.62) v1(45,96.5) v1(45,70.5) v1(45,69.5) v1(45,68.5) v1(45,30.5) v1(45,29.5) v1(45,28.5) v1(45.05,50) v1(45.3,76.8) v1(45.4,73.29) v1(45.53,17.26) v1(45.65,90.55) v1(45.8,88.1) v1(45.8,75.8) v1(45.75,34.65) v1(46,96.5) v1(46,70.5) v1(46,69.5) v1(46,68.5) v1(45.99,67.31) v1(46,30.5) v1(46,29.5) v1(46,28.5) v1(46.39,76.65) v1(46.68,63.5) v1(46.75,57) v1(47,96.5) v1(47,70.5) v1(47,69.5) v1(47,68.5) v1(47,30.5) v1(47,29.5) v1(47,28.5) v1(47.3,26.94) v1(48,96.5) v1(48,70.5) v1(48,69.5) v1(48,68.5) v1(48,30.5) v1(48,29.5) v1(48,28.5) v1(48.15,79.89) v1(48.32,98.78) v1(48.3,90.7) v1(48.5,88.25) v1(48.75,95) v1(48.75,93.75) v1(49,97.5) v1(49,96.5) v1(49,70.5) v1(49,69.5) v1(49,68.5) v1(49,60.94) v1(49,30.5) v1(49,29.5) v1(49,28.5) v1(49,2.5) v1(49,1.5) v1(49.7,86.4) v1(50,97.5) v1(50,96.5) v1(50,2.5) v1(50,1.5) v1(50.25,17.43) v1(50.61,84.68) v1(51,97.5) v1(51,96.5) v1(51,2.5) v1(51,1.5) v1(51.4,16.75) v1(51.5,81.1) v1(51.7,93.5) v1(51.7,86.9) v1(52,97.5) v1(52,96.5) v1(52,2.5) v1(52,1.5) v1(52.15,13.43) v1(52.3,54.4) v1(52.7,60.9) v1(53,97.5) v1(53,96.5) v1(53,2.5) v1(53,1.5) v1(53.25,12.03) v1(53.6,92.5) v1(53.9,43.8) v1(54,97.5) v1(54,96.5) v1(54,70.5) v1(54,69.5) v1(54,68.5) v1(54,30.5) v1(54,29.5) v1(54,28.5) v1(54.04,15.77) v1(54,2.5) v1(54,1.5) v1(55,97.5) v1(55,96.5) v1(55,70.5) v1(55,69.5) v1(55,68.5) v1(55,30.5) v1(55,29.5) v1(55,28.5) v1(55,2.5) v1(55,1.5) v1(55.1,74.6) v1(55.45,15.68) v1(55.56,16.68) v1(55.94,41.56) v1(56,97.5) v1(56,96.5) v1(56,70.5) v1(56,69.5) v1(56,68.5) v1(56,30.5) v1(56,29.5) v1(56,28.5) v1(56,2.5) v1(56,1.5) v1(56.4,14.93) v1(56.5,71.5) v1(56.5,67.5) v1(56.5,31.5) v1(56.5,27.5) v1(57,97.5) v1(57,96.5) v1(57,95.5) v1(57,94.5) v1(57,93.5) v1(57,92.5) v1(57,91.5) v1(57,90.5) v1(57,89.5) v1(57,88.5) v1(57,87.5) v1(57,86.5) v1(57,79.5) v1(57,78.5) v1(57,77.5) v1(57,76.5) v1(57,75.5) v1(57,74.5) v1(57,73.5) v1(57,72.5) v1(57,70.5) v1(57,69.5) v1(57,68.5) v1(57,66.5) v1(57,65.5) v1(57,64.5) v1(57,63.5) v1(57,62.5) v1(57,61.5) v1(57,60.5) v1(57,39.5) v1(57,38.5) v1(57,37.5) v1(57,36.5) v1(57,35.5) v1(57,34.5) v1(57,33.5) v1(57,32.5) v1(57,30.5) v1(57,29.5) v1(57,28.5) v1(57,26.5) v1(57,25.5) v1(57,24.5) v1(57,23.5) v1(57,22.5) v1(57,21.5) v1(57,20.5) v1(57,19.5) v1(57,18.5) v1(57,11.5) v1(57,10.5) v1(57,9.5) v1(57,8.5) v1(57,7.5) v1(57,6.5) v1(57,5.5) v1(57,4.5) v1(57,3.5) v1(57,2.5) v1(57,1.5) v1(57.5,71.5) v1(57.5,67.5) v1(57.5,53.5) v1(57.5,52.5) v1(57.5,51.5) v1(57.5,50.5) v1(57.5,49.5) v1(57.5,48.5) v1(57.5,47.5) v1(57.5,46.5) v1(57.5,31.5) v1(57.5,27.5) v1(58,97.5) v1(58,96.5) v1(58,95.5) v1(58,94.5) v1(58,93.5) v1(58,92.5) v1(58,91.5) v1(58,90.5) v1(58,89.5) v1(58,88.5) v1(58,87.5) v1(58,86.5) v1(58,79.5) v1(58,78.5) v1(58,77.5) v1(58,76.5) v1(58,75.5) v1(58,74.5) v1(58,73.5) v1(58,72.5) v1(58,70.5) v1(58,69.5) v1(58,68.5) v1(58,66.5) v1(58,65.5) v1(58,64.5) v1(58,63.5) v1(58,62.5) v1(58,61.5) v1(58,60.5) v1(58,39.5) v1(58,38.5) v1(58,37.5) v1(58,36.5) v1(58,35.5) v1(58,34.5) v1(58,33.5) v1(58,32.5) v1(58,30.5) v1(58,29.5) v1(58,28.5) v1(58,26.5) v1(58,25.5) v1(58,24.5) v1(58,23.5) v1(58,22.5) v1(58,21.5) v1(58,20.5) v1(58,19.5) v1(58,18.5) v1(58,11.5) v1(58,10.5) v1(58,9.5) v1(58,8.5) v1(58,7.5) v1(58,6.5) v1(58,5.5) v1(58,4.5) v1(58,3.5) v1(58,2.5) v1(58,1.5) v1(58.5,71.5) v1(58.5,67.5) v1(58.5,53.5) v1(58.5,52.5) v1(58.5,51.5) v1(58.5,50.5) v1(58.5,49.5) v1(58.5,48.5) v1(58.5,47.5) v1(58.5,46.5) v1(58.5,31.5) v1(58.5,27.5) v1(58.7,98.75) v1(59,96.5) v1(59,95.5) v1(59,94.5) v1(59,93.5) v1(59,92.5) v1(59,91.5) v1(59,90.5) v1(59,89.5) v1(59,88.5) v1(59,87.5) v1(59,86.5) v1(59,79.5) v1(59,78.5) v1(59,77.5) v1(59,76.5) v1(59,75.5) v1(59,74.5) v1(59,73.5) v1(59,72.5) v1(59,70.5) v1(59,69.5) v1(59,68.5) v1(59,66.5) v1(59,65.5) v1(59,64.5) v1(59,63.5) v1(59,62.5) v1(59,61.5) v1(59,38.5) v1(59,37.5) v1(59,36.5) v1(59,35.5) v1(59,34.5) v1(59,33.5) v1(59,32.5) v1(59,30.5) v1(59,29.5) v1(59,28.5) v1(59,26.5) v1(59,25.5) v1(59,24.5) v1(59,23.5) v1(59,22.5) v1(59,21.5) v1(59,20.5) v1(59,19.5) v1(59,18.5) v1(59,11.5) v1(59,10.5) v1(59,9.5) v1(59,8.5) v1(59,7.5) v1(59,6.5) v1(59,5.5) v1(59,4.5) v1(59,3.5) v1(59.5,71.5) v1(59.5,67.5) v1(59.5,31.5) v1(59.5,27.5) v1(60,96.5) v1(60,70.5) v1(60,69.5) v1(60,68.5) v1(60,30.5) v1(60,29.5) v1(60,28.5) v1(60.72,23.57) v1(61,96.5) v1(61,70.5) v1(61,69.5) v1(61,68.5) v1(61,30.5) v1(61,29.5) v1(61,28.5) v1(61.6,34) v1(61.72,57.53) v1(61.65,47.45) v1(62,96.5) v1(62,70.5) v1(62,69.5) v1(62,68.5) v1(61.97,42.55) v1(62,30.5) v1(62,29.5) v1(62,28.5) v1(62.7,46.68) v1(62.8,56.25) v1(63,96.5) v1(63.67,61) v1(63.71,4.08) v1(64,96.5) v1(64.9,19.35) v1(65,96.5) v1(65.27,61) v1(65.5,97.23) v1(65.5,2.78) v1(66,96.5) v1(66.22,19.35) v1(66.5,70.5) v1(66.5,69.5) v1(66.5,68.5) v1(66.5,30.5) v1(66.5,29.5) v1(66.5,28.5) v1(66.6,87.69) v1(66.56,34.97) v1(66.9,47.4) v1(67,96.5) v1(67.5,70.5) v1(67.5,69.5) v1(67.5,68.5) v1(67.5,30.5) v1(67.5,29.5) v1(67.5,28.5) v1(67.7,24.43) v1(67.83,82.12) v1(67.85,80.08) v1(68,96.5) v1(68.5,70.5) v1(68.5,69.5) v1(68.5,68.5) v1(68.5,30.5) v1(68.5,29.5) v1(68.5,28.5) v1(68.66,81.15) v1(68.77,57.48) v1(68.75,42.55) v1(68.8,26.8) v1(69,96.5) v1(69.04,35.09) v1(69.2,36.03) v1(69.5,70.5) v1(69.5,69.5) v1(69.5,68.5) v1(69.5,30.5) v1(69.5,29.5) v1(69.5,28.5) v1(70,96.5) v1(70.11,63.45) v1(70.5,70.5) v1(70.5,69.5) v1(70.5,68.5) v1(70.5,30.5) v1(70.5,29.5) v1(70.5,28.5) v1(71,96.5) v1(71.07,63.45) v1(71.25,66.05) v1(71.25,60.98) v1(71.5,70.5) v1(71.5,69.5) v1(71.5,68.5) v1(71.5,30.5) v1(71.5,29.5) v1(71.5,28.5) v1(71.84,35.09) v1(72,96.5) v1(72.32,98.75) v1(72.45,58.68) v1(72.5,70.5) v1(72.5,69.5) v1(72.5,68.5) v1(72.5,30.5) v1(72.5,29.5) v1(72.5,28.5) v1(73,97.5) v1(73,96.5) v1(73,2.5) v1(73,1.5) v1(73.24,3.89) v1(73.5,70.5) v1(73.5,69.5) v1(73.5,68.5) v1(73.5,30.5) v1(73.5,29.5) v1(73.5,28.5) v1(74,97.5) v1(74,96.5) v1(74,2.5) v1(74,1.5) v1(74.5,70.5) v1(74.5,69.5) v1(74.5,68.5) v1(74.5,30.5) v1(74.5,29.5) v1(74.5,28.5) v1(75,97.5) v1(75,96.5) v1(75,2.5) v1(75,1.5) v1(75.5,70.5) v1(75.5,69.5) v1(75.5,68.5) v1(75.5,30.5) v1(75.5,29.5) v1(75.5,28.5) v1(76,97.5) v1(76,96.5) v1(76,2.5) v1(76,1.5) v1(76.29,89.89) v1(76.5,70.5) v1(76.5,69.5) v1(76.5,68.5) v1(76.5,30.5) v1(76.5,29.5) v1(76.5,28.5) v1(76.49,23.67) v1(77,97.5) v1(77,96.5) v1(77,2.5) v1(77,1.5) v1(77.53,73.94) v1(77.5,70.5) v1(77.5,69.5) v1(77.5,68.5) v1(77.5,30.5) v1(77.5,29.5) v1(77.5,28.5) v1(78.27,9.75) v1(79,98) v1(78.97,26.91) v1(79,2) v1(81,98) v1(81,92) v1(81,90) v1(81,88) v1(81,86) v1(81,84) v1(81,82) v1(81,80) v1(81,78) v1(81,76) v1(81,74) v1(81,72) v1(81,70) v1(81,68) v1(81,62) v1(81,60) v1(81,58) v1(81,56) v1(81,54) v1(81,52) v1(81,50) v1(81,48) v1(81,46) v1(81,44) v1(81,42) v1(81,40) v1(81,38) v1(81,32) v1(81,30) v1(81,28) v1(81,26) v1(81,24) v1(81,22) v1(81,20) v1(81,18) v1(81,16) v1(81,14) v1(81,12) v1(81,10) v1(81,8) v1(81,2) v3(17.6,39) v3(20.55,22.58) v3(26.25,42.95) v3(30.45,34.45) v3(30.5,43.25) v3(33.45,7.7) v3(34.9,18.59) v3(36.02,4.18) v3(36.95,10) v3(38.8,38.95) v3(46.5,8.95) v3(47.45,7.45) v3(49.45,33) v3(50.5,20.15) v3(51,33) v3(51,31.4) v3(61.65,39) v3(65.3,39) v3(72.45,41.2)
VBUS: length 25.1
  Top w0.3: 49.3,83.3 TP14.1
  Top w0.6: 42.03,86.25 42.55,85.74 U12.6 ; 42.03,86.25 42.48,85.8 47.6,85.8 49.2,84.2 49.2,82 48.56,81.36 Q2.6 ; 42.03,86.25 40.86,87.42 CF1.5 CF1.6
VDD_CORE: length 25
  Top w0.3: L3.1 28.68,17.5 U1.58 36.3,17.5 36.85,18.05 43.4,18.05 46.95,14.5 U1.12 50.21,14.5 50.32,14.61 C27.1
/Microcontroller/CELL1_TEMP_ALERT: length 57.9
  Top w0.2: U1.43 38.4,23.65 38.95,24.2 38.95,26.75 38.55,27.15 33.6,27.15 32.45,28.3 32.45,31.35 29.75,34.05 29.75,51.8 35.6,57.65 41.49,57.65 43.21,59.37 R3.1 43.2,62.08 U2.3
/Microcontroller/CELL2_TEMP_ALERT: length 36.6
  Top w0.2: v1(47.02,19.31) 40.88,19.31 39.4,20.79 U1.41 ; v1(50.07,19.31) 54.53,19.31 56.24,17.6 69.76,17.6 70.41,18.25 R4.1 70.41,19.02 U7.3
  Bottom w0.2: v1(50.07,19.31) v1(47.02,19.31)
/Microcontroller/RESET: length 58.5
  Top w0.152: 51.45,12.28 R15.1
  Top w0.2: U1.9 50.03,13 ; 50.03,13 50.25,12.78 C11.1 ; 50.03,13 51.2,13 51.41,12.79 R15.1 ; TP16.1 5.02,14.63 7.56,17.18 J3.10 16.57,17.18 v3(16.58,17.18) ; v1(52.29,12.28) 51.45,12.28
  Bottom w0.152: v1(52.29,12.28) 49.35,12.28 48.74,11.67 28.93,11.67 21.44,19.16 17.24,19.16 16.58,18.5 v3(16.58,17.18)
/Microcontroller/SWCLK: length 34
  Top w0.127: v3(20.07,8.02) 18.68,9.41 18.68,18.76 17.76,19.68 J3.15 ; v3(35.4,5.57) U1.77
  Bottom w0.127: v3(20.07,8.02) 28.82,8.02 31.27,5.57 v3(35.4,5.57)
/Microcontroller/SWDIO: length 34
  Top w0.127: J3.14 17.39,19.18 18.31,18.26 18.31,8.76 v3(20.07,7) ; v3(34.9,5.11) U1.76
  Bottom w0.127: v3(20.07,7) 29.42,7 31.31,5.11 v3(34.9,5.11)
/Microcontroller/SWO: length 33.7
  Top w0.127: J3.16 17.82,20.18 19.05,18.95 19.05,10.04 v3(20.07,9.02) ; v3(35.9,6.05) U1.78
  Bottom w0.127: v3(35.9,6.05) 31.18,6.05 28.21,9.02 v3(20.07,9.02)
